# Altium PCB iMX53_BB_PCB_V1I1.PcbDoc (part 3 of 9)
Units mm, origin at the board's own origin, x right, y up, seen from the top; angles counter-clockwise.
Board outline 165 x 100.5 mm, 6 copper layers (Top, GND, SignalH, SignalV, Power, Bottom); 582 components, 590 nets, 2473 pads, 1817 vias.
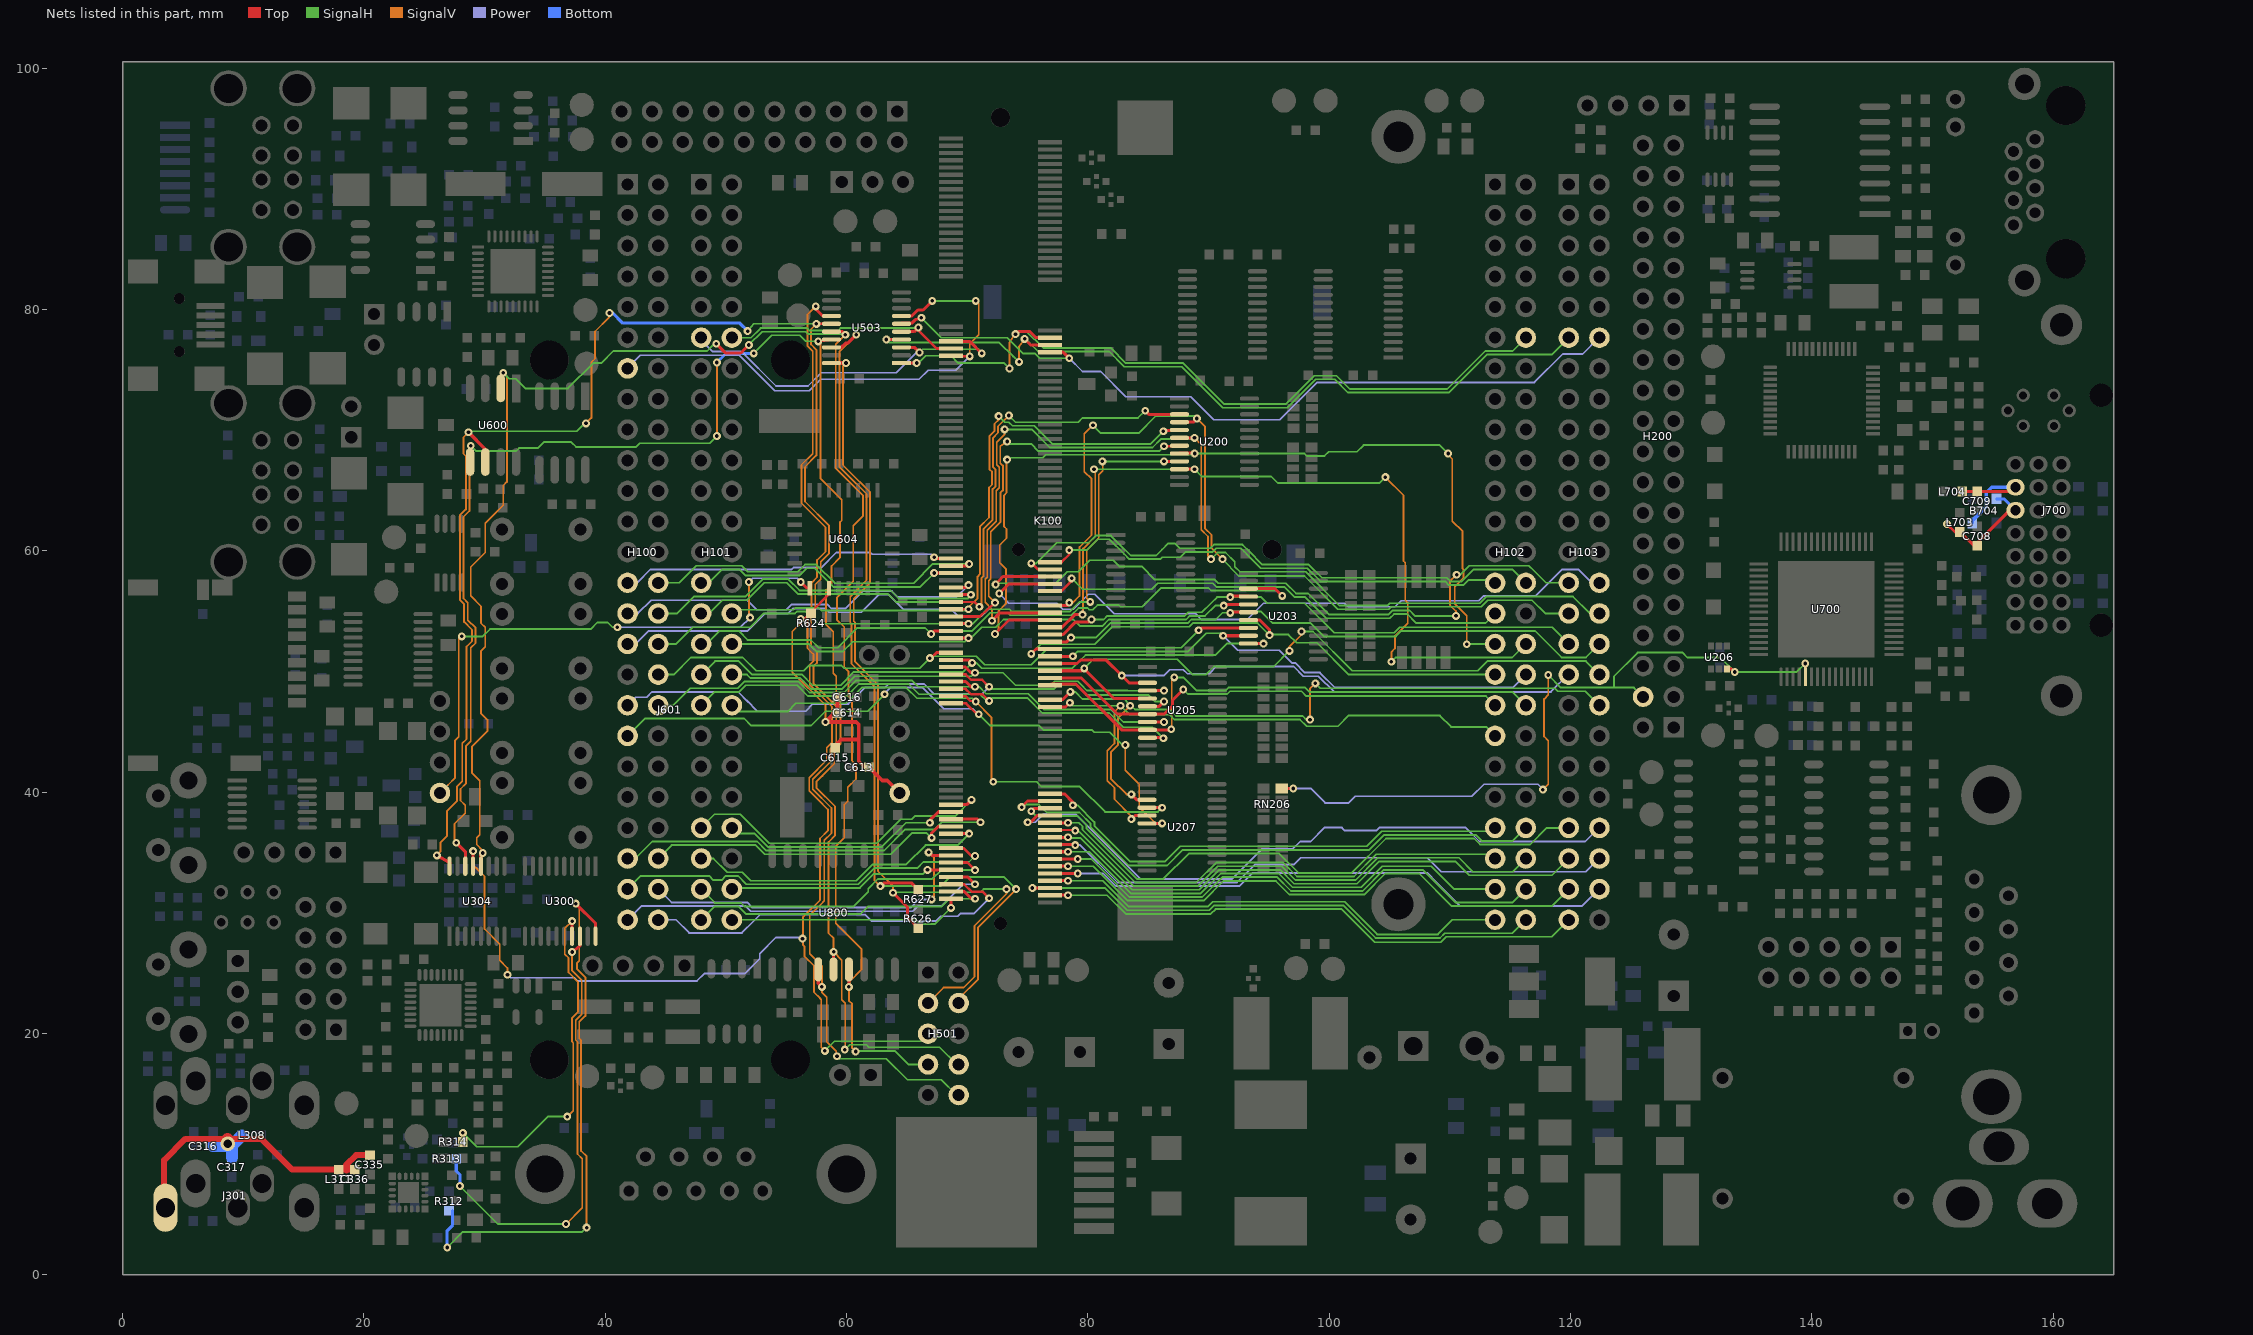
[diagram p7: the nets of this part, all layers, seen from the top]

## Via types
v1: diameter 0.65, hole 0.3, Top to Bottom, tented both sides, 1294 vias
v2: diameter 0.8, hole 0.4, Top to Bottom, tented both sides, 303 vias
v3: diameter 1.2, hole 0.7, Top to Bottom, tented both sides, 213 vias
v4: diameter 0.65, hole 0.3, Top to Bottom, 4 vias
v5: diameter 1.2, hole 0.7, Top to Bottom, 1 vias
v6: diameter 1.27, hole 0.711, Top to Bottom, tented both sides, 1 vias
v7: diameter 0.8, hole 0.4, Top to Bottom, 1 vias

## Nets (pads, with @x,y where several pads share a name; then routed paths per layer and width w, separated by ;. In a path a pad name is that pad's centre, name@x,y a point inside that pad or via, vN(x,y) a via of type N, cw(c..) or ccw(c..) an arc to the next point about the centre after c; other vN are vias at no path point) (continued)
CSI1_D2: H100.27 K100.105 | length 28
  Top w0.25: v1(67.25,59.45) 67.35,59.35 K100.105@68.65,59.35
  Power w0.15: H100.27@41.85,57.34 42.64,57.34 43.75,58.45 55.45,58.45 55.6,58.6 57.9,58.6 59.15,59.85 61.976,59.85 62.126,59.7 67,59.7 v1(67.25,59.45)
CSI1_D3: H102.27 K100.106 | length 40.5
  Top w0.2: K100.106@76.85,59.05 77.819,59.05 78.45,59.681 v1(78.45,60.05)
  SignalH w0.15: v1(78.45,60.05) 79.9,60.05 80.8,60.95 81.776,60.95 83.001,59.725 83.426,59.3 86,59.3 86.15,59.45 87.65,59.45 88.1,59.9 90.35,59.9 90.65,60.2 92.676,60.2 92.937,59.939 93.281,59.595 94.326,58.55 98.176,58.55 99.276,57.45 109.6,57.45 109.9,57.15 111.1,57.15 111.514,57.564 113.526,57.564 H102.27@113.75,57.34
CSI1_D4: H100.28 K100.107 | length 29.7
  Top w0.25: K100.107@68.65,58.75 70,58.75 v1(70.15,58.9)
  SignalH w0.15: H100.28@44.39,57.34 46.14,57.34 47.55,58.75 51.3,58.75 51.8,58.25 55.95,58.25 56.55,58.85 57.5,58.85 59.05,57.3 65.55,57.3 67.15,58.9 v1(70.15,58.9)
CSI1_D5: H102.28 K100.108 | length 47.3
  Top w0.2: v1(75.3,58.95) 75.3,59 75.325,58.975 75.85,58.45 K100.108@76.85,58.45
  SignalH w0.15: v1(75.3,58.95) 75.7,58.95 77.4,60.65 80.05,60.65 80.65,61.25 81.9,61.25 82.65,60.5 83.55,59.6 85.65,59.6 86.15,60.1 86.65,60.6 87.2,60.6 87.6,60.2 90.15,60.2 90.45,60.5 92.8,60.5 92.937,60.363 93.311,59.989 94.45,58.85 98.3,58.85 99.4,57.75 109.75,57.75 110.05,57.45 110.976,57.45 111.976,58.45 115.18,58.45 H102.28@116.29,57.34
CSI1_D6: H101.27 K100.109 | length 22.7
  Top w0.25: v1(67.25,58.15) K100.109@68.65,58.15
  SignalH w0.15: H101.27@47.95,57.34 48.59,57.34 49.7,58.45 51.1,58.45 51.6,57.95 56.1,57.95 56.7,58.55 57.35,58.55 58.9,57 66.1,57 v1(67.25,58.15)
CSI1_D7: H103.27 K100.110 | length 60
  Top w0.25: v1(72.35,57.2) 72.95,57.85 K100.110@76.85,57.85
  SignalH w0.15: v1(72.35,57.2) 72.4,57.3 77.35,57.3 78.3,58.25 79.2,58.25 80.15,59.2 82.1,59.2 82.6,58.7 84.45,58.7 85.55,57.6 90.5,57.6 90.8,57.3 96.4,57.3 97.25,56.45 98.25,56.45 100,54.7 104.899,54.7 105.249,55.05 106.65,55.05 107.1,54.6 v1(110.5,54.6) ; v1(110.55,58) 110.85,58 111.6,58.75 116.55,58.75 116.965,58.335 117.96,57.34 H103.27@119.85,57.34
  SignalV w0.15: v1(110.5,54.6) 110.5,55 110,55.5 110,57.45 v1(110.55,58)
CSI1_HSYNC: H103.28 K100.112 | length 58.6
  Top w0.25: v1(72.65,56.45) 73.45,57.25 K100.112@76.85,57.25
  Power w0.15: v1(72.65,56.45) 73.45,55.65 77.4,55.65 77.9,55.15 78.8,55.15 79.938,56.288 80.04,56.39 80.56,56.39 82.175,54.775 88.925,54.775 89.4,54.3 93.2,54.3 94.55,55.65 101.25,55.65 101.55,55.35 105.45,55.35 105.95,55.85 112.4,55.85 112.8,56.25 117.1,56.25 119.3,58.45 120.65,58.45 121.76,57.34 H103.28@122.39,57.34
CSI1_MCLK: H100.30 K100.115 | length 29.5
  Top w0.25: K100.115@68.65,56.35 v1(70.3,56.35)
  SignalH w0.15: H100.30@44.39,54.8 45.95,54.8 47.35,56.2 51.6,56.2 53.05,57.65 55.15,57.65 56.1,56.7 63.65,56.7 64.3,56.05 70.05,56.05 v1(70.3,56.35)
CSI1_PIXCLK: H102.29 K100.114 | length 40
  Top w0.2: K100.114@76.85,56.65 77.8,56.65 78.65,57.5 v1(78.65,57.7)
  SignalH w0.15: v1(78.65,57.7) 79.55,56.8 85.3,56.8 85.8,57.3 90.35,57.3 90.65,57 96.276,57 97.126,56.15 98,56.15 99.75,54.4 105.023,54.4 105.373,54.75 106.45,54.75 107.201,53.999 112.949,53.999 H102.29@113.75,54.8
CSI1_VSYNC: H100.29 K100.113 | length 32.1
  Top w0.25: K100.113@68.65,56.95 69.9,56.95 v1(70.1,57.15)
  Power w0.15: H100.29@41.85,54.8 42.7,54.8 43.8,55.9 51.75,55.9 52.55,55.1 55,55.1 55.45,55.55 58.4,55.55 58.75,55.2 59.9,55.2 61.35,56.65 63.75,56.65 64.25,56.15 69.1,56.15 v1(70.1,57.15)
CSPI1_MISO: H101.12 K100.47 U503.5 | length 21.1
  Top w0.25: U503.5@64.55,78.15 65.6,78.15 v1(65.95,78.5) 65.95,78.25 67.45,76.75 K100.47@68.65,76.75
  SignalH w0.15: H101.12@50.49,77.65 52.076,77.65 52.876,78.45 56.724,78.45 56.924,78.25 59.3,78.25 59.5,78.45 65.8,78.45 v1(65.95,78.5)
CSPI1_MISO_3V3: H501.7 U304.12 U503.16 U600.2 U800.15 | length 150.8
  Top w0.2: U600.2@31.335,73.45 31.335,74.435 v1(31.55,74.75)
  Top w0.25: v1(49.2,77.15) 49.95,76.4 51.25,76.4 v1(51.9,77.05) ; U503.16@58.75,78.15 59.65,78.15 v1(59.9,77.9) ; v1(60.19,23.848) U800.15@60.19,25.3
  Top w0.3: U304.12@29.7,33.85 29.7,34.8 v1(29.85,34.95)
  SignalH w0.15: v1(31.55,74.75) 32.05,74.25 32.576,74.25 33.376,73.45 36.9,73.45 38.997,75.547 39.672,75.547 40.675,76.55 48.45,76.55 48.95,77.05 v1(49.2,77.15) ; v1(51.9,77.05) 53,78.15 56.6,78.15 56.8,77.95 59.802,77.95 v1(59.9,77.9) ; v1(60.75,18.5) 60.8,18.55 64,18.55 65.12,17.43 H501.7@66.75,17.43
  SignalV w0.15: v1(29.85,34.95) 29.85,35.15 29.35,35.65 29.35,36.2 29.6,36.45 29.6,40.95 28.95,41.6 28.95,43.75 28.95,43.766 30.25,45.066 30.25,45.964 29.714,46.5 29.714,51.714 30.05,52.05 30.05,53.649 29.7,53.999 29.7,55.4 28.85,56.25 28.85,58.65 29.222,59.022 30.05,59.85 30.05,62.276 30.509,62.735 31.55,63.776 31.55,65.4 31.85,65.7 31.85,74.45 v1(31.55,74.75) ; v1(59.9,77.9) 59.1,77.1 59.1,66.838 61.35,64.588 61.35,62.85 60.55,62.05 60.55,57.45 59.2,56.1 59.2,54.274 59.8,53.674 59.8,50.35 60.15,50 60.15,47.949 60.45,47.649 60.45,42.6 60.778,42.272 60.778,41.078 60.1,40.4 60.1,39.25 59.8,38.95 59.8,36.2 59.1,35.5 59.1,29.126 61.226,27 61.226,25.276 60.25,24.3 60.25,23.908 v1(60.19,23.848) 60.19,22.71 60.454,22.446 60.454,18.796 v1(60.75,18.5)
CSPI1_MOSI: H103.11 K100.46 U503.4 | length 68.1
  Top w0.25: v1(63.298,77.5) U503.4@64.55,77.5 ; v1(74.75,77.55) 75.25,77.05 K100.46@76.85,77.05
  SignalH w0.15: v1(63.298,77.5) 63.548,77.25 72.65,77.25 73.8,76.1 v1(74.3,75.65) ; v1(74.75,77.55) 74.824,77.55 75.87,76.505 81.771,76.505 83.026,75.25 87.774,75.25 91.174,71.85 96.526,71.85 98.264,73.588 98.876,74.2 100.45,74.2 101.55,73.1 109.9,73.1 113.05,76.25 118.45,76.25 H103.11@119.85,77.65
  SignalV w0.15: v1(74.3,75.65) 74.3,76.95 v1(74.75,77.55)
CSPI1_MOSI_3V3: H501.8 U304.14 U503.17 U600.5 U800.14 | length 151.2
  Top w0.25: v1(27.65,35.8) 28.4,35.05 U304.14@28.4,33.85 ; v1(57.65,77.35) U503.17@58.75,77.5 ; U800.14@58.92,25.3 v1(58.92,26.752)
  Top w0.3: U600.5@28.795,67.35 28.795,68.7 v1@28.795,68.745
  SignalH w0.15: v1(28.85,68.7) 29.3,68.25 32.6,68.25 32.85,68.5 34.4,68.5 34.9,69 37.176,69 37.576,68.6 42.574,68.6 42.874,68.9 48.65,68.9 v1(49.25,69.5) ; v1(52.3,76.35) 53.8,77.85 56.1,77.85 56.6,77.35 v1(57.65,77.35) ; v1(59.85,18.65) 60.25,19.05 61.65,19.05 61.85,18.85 67.7,18.85 69.12,17.43 H501.8@69.29,17.43
  SignalV w0.15: v1(27.65,35.8) 27.5,36.019 27.5,37.35 28.4,38.25 28.4,38.9 28,39.3 28,40.25 28.45,40.7 28.45,43.8 28.85,44.2 28.85,51.947 29.253,52.35 29.253,53.597 28.6,54.25 28.6,55.7 28.25,56.05 28.25,62.8 28.75,63.3 28.75,68.6 v1(28.85,68.7) 28.767,68.717 v1@28.767,68.7 ; v1(49.25,69.5) v1(49.25,75.6) ; v1(57.65,77.35) 57.85,77.194 57.85,65.976 59.6,64.226 59.6,62.5 59.45,62.35 59.45,59.424 58.75,58.724 58.75,57.188 58.3,56.738 58.3,53.874 58.9,53.274 58.9,49.85 59.15,49.6 59.15,47.653 59.503,47.3 59.503,43.978 58.977,43.451 58.977,42.327 57.99,41.34 57.5,40.85 57.5,40.35 59.05,38.8 59.05,36.4 58.5,35.85 58.5,28.3 58.92,27.88 v1(58.92,26.752) 59.6,26.072 59.6,22.8 59.894,22.506 59.894,18.694 v1(59.85,18.65)
  Bottom w0.25: v1(49.25,75.6) 50,76.35 v1(52.3,76.35)
CSPI1_RDY: H100.13 K100.49 U503.7 | length 44.4
  Top w0.25: U503.7@64.55,79.45 65.4,79.45 65.9,79.95 66.35,79.95 v1(67.1,80.7) ; K100.49@68.65,76.15 v1(70.2,76.1)
  SignalH w0.15: v1(67.1,80.7) v1@70.6,80.7
  SignalV w0.15: v1(70.2,76.1) 70.2,77.15 70.95,77.9 70.95,80.45 v1(70.7,80.7)
  Power w0.15: H100.13@41.85,75.11 41.85,75.15 42.9,76.2 51.1,76.2 54.05,73.25 56.9,73.25 57.85,74.2 66,74.2 66.75,74.95 69.05,74.95 v1(70.2,76.1)
CSPI1_RDY_3V3: H501.5 U304.13 U503.14 | length 118.5
  Top w0.25: U304.13@29.05,33.85 v1(29.05,35.1) ; v1(57.45,80.25) 57.45,80.03 58.03,79.45 U503.14@58.75,79.45
  SignalH w0.15: v1(58.2,18.55) 59,19.35 66.13,19.35 H501.5@66.75,19.97
  SignalV w0.15: v1(29.05,35.1) 29.05,33.95 29.417,33.583 ; 29.2,33.8 30,33 30,28.65 31.25,27.4 31.25,26.05 31.896,25.404 v1(31.896,24.853) ; v1(57.45,80.25) 56.75,79.55 56.75,76.976 57.2,76.526 57.2,68.05 56.25,67.1 56.25,63.95 58.25,61.95 58.25,59.921 57.55,59.221 57.55,57.8 57.1,57.35 57.1,54.899 56.75,54.549 56.75,54.45 56.75,52.25 56.75,52.177 56.75,51.934 57.25,51.434 57.25,50.85 56.95,50.55 56.95,48.899 58.8,47.049 58.8,44.123 58.352,43.674 58.352,42.652 56.9,41.2 56.9,40.101 57.608,39.394 58.45,38.551 58.45,36.8 57.796,36.146 57.796,31.046 56.38,29.63 56.38,27.85 56.38,27.344 56.5,27.224 56.5,26.4 57.3,25.6 57.3,23.4 57.808,22.892 57.9,22.8 57.9,18.85 v1(58.2,18.55)
  Power w0.15: v1(31.896,24.853) 32.149,24.6 37.45,24.6 37.7,24.35 47.6,24.35 48.2,24.95 51.55,24.95 52.8,26.2 52.8,26.6 54.15,27.95 56.2,27.95 v1(56.35,27.85)
CSPI1_SCLK: H103.12 K100.48 U503.6 | length 66.1
  Top w0.25: U503.6@64.55,78.8 64.6,78.85 65.4,78.85 65.7,79.15 v1(66.2,79.3) ; K100.48@76.85,76.45 77.95,76.45 v1(78.45,75.95)
  SignalH w0.15: v1(66.2,79.3) 67.85,77.65 73.3,77.65 74.6,76.35 75.6,76.35 76,75.95 v1(78.45,75.95)
  Power w0.15: v1(78.45,75.95) 79.55,74.85 81.05,74.85 83.15,72.75 88.524,72.75 90.424,70.85 95.9,70.85 99,73.95 117,73.95 119.35,76.3 120.99,76.3 H103.12@122.34,77.65 ; H103.12@122.365,77.675 H103.12@122.39,77.7
CSPI1_SCLK_3V3: H501.10 U304.16 U503.15 U600.6 U800.13 | length 161.1
  Top w0.215: v1(57.498,78.8) U503.15@58.75,78.8
  Top w0.25: U800.13@57.65,25.3 57.65,24.15 v1(57.95,23.85)
  Top w0.3: v1(26.05,34.75) 27.1,34.15 U304.16@27.1,33.85 ; v1(28.662,69.82) 30.065,68.417 U600.6@30.065,67.35
  SignalH w0.15: v1(28.662,69.82) 28.742,69.9 37.65,69.9 38.35,70.6 v1(38.4,70.55) ; v1(51.8,78.2) 52.3,78.8 v1(57.498,78.8) ; v1(59.2,18.1) 59.4,17.9 63.3,17.9 65.05,16.15 67.85,16.15 69.11,14.89 H501.10@69.29,14.89
  SignalV w0.15: v1(26.05,34.75) 26.35,35.1 26.35,35.825 26.888,36.363 26.888,38.437 27.7,39.25 27.7,40.45 28.15,40.9 28.15,44.024 28.5,44.374 28.5,52.05 28.953,52.503 28.953,53.447 28.3,54.1 28.3,55.576 27.95,55.926 27.95,59.126 27.95,62.099 27.95,62.924 28.45,63.424 28.45,63.924 28.45,67.85 28.25,68.05 28.25,69.408 v1(28.662,69.82) ; v1(38.4,70.55) 38.85,71 38.85,75.6 39.15,75.9 39.15,78.162 40.3,79.312 v1(40.35,79.7) ; v1(57.498,78.8) 57.05,78.352 57.05,77.1 57.5,76.65 57.5,67.9 56.55,66.95 56.55,64.074 58.55,62.074 58.55,59.797 57.85,59.097 57.85,57.65 57.4,57.2 57.4,54.774 57.05,54.424 57.05,54.3 57.05,52.374 57.05,52.301 57.05,52.059 57.55,51.559 57.55,50.7 57.25,50.4 57.25,49.023 59.15,47.123 59.15,44.049 58.677,43.575 58.677,42.527 57.2,41.05 57.2,40.226 58.75,38.676 58.75,36.6 58.15,36 58.15,30.976 57.895,30.721 56.95,29.776 56.95,26.606 57.95,25.606 v1(57.95,23.85) 57.95,23.4 58.35,23 58.35,19.3 59.15,18.5 v1@59.15,18.15
  Bottom w0.25: v1(40.35,79.7) 40.55,79.75 41.45,78.85 51.15,78.85 v1(51.8,78.2)
CSPI1_SS0: H102.12 K100.44 U503.1 | length 64
  Top w0.25: U503.1@64.55,75.55 v1(65.802,75.55) ; v1@74.198,78.148 74.2,78.15 75.2,78.15 75.7,77.65 K100.44@76.85,77.65
  SignalH w0.15: v1(65.802,75.55) 65.95,75.55 66.55,76.15 68.65,76.15 69.25,75.55 73.05,75.55 v1(73.5,75.1) ; v1@73.95,77.85 v1@74.025,77.925 ; v1(74,77.95) 74.25,78.2 74.905,78.2 76.3,76.805 81.895,76.805 83.15,75.55 87.9,75.55 91.3,72.15 96.4,72.15 98.094,73.844 98.75,74.5 100.6,74.5 101.7,73.4 109.776,73.4 112.926,76.55 115.19,76.55 H102.12@116.29,77.65
  SignalV w0.15: v1(73.5,75.1) 73.5,77.25 73.899,77.882 73.959,77.976 v1@74.1,78.2
CSPI1_SS0_3V3: H501.3 R626.1 U503.20 | length 75.6
  Top w0.15: U503.20@58.75,75.55 v1(59.95,75.55)
  Top w0.25: v1(63.85,31.65) 65.05,30.45 65.05,29.6 R626.1@65.95,28.7
  Top w0.35: U503.20@58.75,75.55 58.85,75.55 v1(59.95,75.55)
  SignalH w0.15: v1@63.85,31.7 71.1,31.7 71.35,31.95 v1(73.25,31.95)
  SignalV w0.15: v1(59.95,75.55) 59.7,75.3 59.7,67.087 60.102,66.685 61.95,64.837 61.95,57.35 60.6,56 60.6,54.147 60.7,54.047 60.7,50.797 62.6,48.897 62.6,33.45 63.85,32.2 v1@63.85,31.7 ; H501.3@66.75,22.51 68.04,23.8 69.7,23.8 70.6,24.7 70.6,28.924 73.25,31.574 v1(73.25,31.95)
CSPI1_SS1: H101.11 K100.45 U503.3 | length 31.1
  Top w0.25: U503.3@64.55,76.85 65.609,76.85 v1(66.038,76.421) ; K100.45@68.65,77.35 70.2,77.35 v1(71.2,76.35)
  SignalH w0.15: v1(66.038,76.421) 66.318,76.7 70.95,76.7 71.2,76.45 v1(71.2,76.35)
  Power w0.15: H101.11@47.95,77.65 47.95,77.45 48.9,76.5 51.3,76.5 54.15,73.65 56.8,73.65 57.9,74.75 64.1,74.75 65.771,76.421 v1(66.038,76.421)
CSPI1_SS1_3V3: H501.4 R627.1 U503.18 | length 77.5
  Top w0.25: 59.55,76.85 59.9,77.2 60.1,77.2 v1(60.8,77.9) ; v1(62.8,32.2) 63.05,32.45 65.4,32.45 R627.1@65.95,31.9
  SignalH w0.15: v1(62.8,32.2) 67.8,32.2 68.55,32.95 73.05,32.95 v1(74.05,31.95)
  SignalV w0.15: v1(60.8,77.9) 59.4,76.5 59.4,66.963 60.026,66.336 61.65,64.713 61.65,57.55 60.3,56.2 60.3,54.023 60.4,53.923 60.4,50.65 62.3,48.75 62.3,32.7 v1(62.8,32.2) ; H501.4@69.29,22.51 69.29,22.89 70.9,24.5 70.9,28.8 v1(74.05,31.95)
  Bottom w0.25: v1(60.8,77.9) v1@60.8,78.05
CVCC: C613.2 C614.2 C615.2 C616.2 J601.1 R624.1 U604.11 | length 29.2
  Top w0.2: R624.1@57.05,54.8 57.05,54.9 58.55,56.4 U604.11@58.55,56.9
  Top w0.3: v1(56.2,54.35) 56.6,54.35 R624.1@57.05,54.8 ; C615.2@59.05,43.65 59.05,43.85 59.55,44.35 61,44.35 ; C616.2@59.25,47.85 C614.2@59.25,46.55 59,46.55 v1(58.25,45.8) 58.352,45.698 58.454,45.8 60.8,45.8 61,45.6 61,44.35 ; J601.1@64.4,39.92 63.37,40.95 62.95,40.95 C613.2@61.85,42.05 61.5,42.05 61,42.55 61,44.35
  SignalV w0.15: v1(56.2,54.35) 56.2,54 55.5,53.3 55.5,49.924 58.25,47.174 v1(58.25,45.8)
CVSS: J601.5 U604.9 | length 47.1
  Top w0.25: v1(56.2,57.4) 56.7,56.9 U604.9@56.95,56.9
  SignalH w0.15: v1(28.1,52.9) 29.85,52.9 30.45,53.5 38.8,53.5 39.35,54.05 40.2,54.05 40.6,53.65 v1(41,53.65)
  SignalV w0.15: J601.5@26.3,39.92 26.964,40.584 27.55,41.17 27.55,44.273 27.85,44.573 27.85,52.65 v1(28.1,52.9) ; v1(51.9,57.4) 51.9,54.55 v1(52,54.45)
  Power w0.15: v1(41,53.65) 51.2,53.65 v1(52,54.45) ; v1(51.9,57.4) 52.22,57.72 55.93,57.72 v1(56.2,57.4)
DDC_SCL: B704.2 C708.2 J700.6 L703.2 | length 9.7
  Top w0.15: v1@151.14,62.14 151.092,62.188 v1(151.2,62.2)
  Top w0.25: v1(151.2,62.2) 151.85,61.55 152.3,61.55 C708.2@153.45,60.4 ; C708.2@153.7,60.4 153.7,60.65 156.4,63.35 J700.6@156.875,63.35
  Bottom w0.25: B704.2@155.3,64.3 155.925,64.3 J700.6@156.875,63.35
DDC_SDA: B704.4 C709.2 J700.7 L704.2 | length 10.2
  Top w0.25: L704.2@152.45,64.9 156.52,64.9 J700.7@156.875,65.255
  Bottom w0.3: B704.4@153.3,62.3 153.3,62.5 154.45,63.65 154.45,64.8 154.905,65.255 J700.7@156.875,65.255
DISP1_DAT0: H101.29 K100.117 U200.3 | length 59.4
  Top w0.2: K100.117@68.65,55.75 70.6,55.75 v1(71,55.35)
  Top w0.25: v1(84.75,71.6) 85.048,71.302 U200.3@87.584,71.302
  SignalH w0.15: H101.29@47.95,54.8 48.6,54.8 49.7,55.9 51.65,55.9 51.724,55.9 53.174,57.35 55.026,57.35 55.976,56.4 56.45,56.4 63.45,56.4 64.1,55.75 70.6,55.75 v1(71,55.35) ; v1(73.45,71.2) 74,70.65 79.2,70.65 79.55,71 84.15,71 v1(84.75,71.6)
  SignalV w0.15: v1(71,55.35) 71.183,55.533 71.183,57.756 71.35,57.923 71.35,61.823 72.1,62.573 72.1,65.1 72.35,65.35 72.35,66.7 72.139,66.911 72.139,69.365 72.549,69.774 72.549,70 ; 72.55,70 72.55,70.3 v1(73.45,71.2)
DISP1_DAT1: H103.29 K100.118 U200.4 | length 72.9
  Top w0.25: K100.118@76.85,55.45 78.3,55.45 78.45,55.6 v1(78.45,55.7) ; U200.4@87.584,70.652 88.728,70.652 v1(89.034,70.958)
  SignalH w0.15: v1(80.415,70.389) 80.415,70.385 81.05,69.75 84.2,69.75 85.6,71.15 v1@89.034,71.15 ; v1(89.034,70.958) v1@89.05,71.15 ; v1(91.15,59.3) 92.5,57.9 97.95,57.9 100.7,55.15 104.801,55.15 104.924,55.15 105.124,55.35 112.599,55.35 113.149,55.9 116.8,55.9 117.9,54.8 H103.29@119.85,54.8
  SignalV w0.15: v1(78.45,55.7) 78.75,55.7 79.3,56.25 79.3,60.3 80.3,61.3 80.3,65.95 79.7,66.55 79.7,69.674 v1(80.415,70.389) ; v1(89.034,70.958) 89.693,70.299 89.693,61.857 90.25,61.3 90.25,60.2 v1(91.15,59.3)
DISP1_DAT2: H101.30 K100.119 U200.5 | length 55.5
  Top w0.15: K100.119@68.65,55.15 K100.119@68.7,55.1
  Top w0.25: K100.119@68.7,55.1 v1(70.1,55.15) ; v1(86.25,69.9) 86.3,69.95 87.584,69.95 U200.5@87.6,69.95
  SignalH w0.15: H101.30@50.49,54.8 50.79,55.1 55.6,55.1 55.75,55.25 57.7,55.25 57.9,55.05 70.1,55.05 70.35,55.05 v1(70.1,55.15) ; v1(72.6,71.15) 73.1,70.65 73.45,70.65 73.75,70.35 75.55,70.35 77.05,68.85 85.2,68.85 v1(86.25,69.9)
  SignalV w0.15: v1(70.1,55.15) 70.1,55.3 70.852,56.052 70.852,57.85 71.05,58.048 71.05,62 71.8,62.75 71.8,65.224 72.05,65.474 72.05,66.55 71.839,66.761 71.839,69.489 72.249,69.899 72.249,70.499 72.6,70.85 v1(72.6,71.15)
DISP1_DAT3: H103.30 K100.120 U200.6 | length 85.9
  Top w0.25: v1(72.05,54.2) 72.7,54.85 K100.120@76.85,54.85 ; U200.6@87.584,69.352 v1(88.836,69.352)
  SignalH w0.15: v1(73.1,70.05) 75.35,70.05 76.85,68.55 85.35,68.55 86.05,69.25 88.734,69.25 v1(88.836,69.352) ; v1(90.2,59.3) 90.75,59.85 91.4,59.85 92.164,59.086 92.164,58.686 92.6,58.25 98.051,58.25 100.851,55.45 104.8,55.45 105,55.65 112.474,55.65 113.024,56.2 120.2,56.2 121.6,54.8 H103.30@122.39,54.8
  SignalV w0.15: v1(72.05,54.2) 72.05,55.15 71.483,55.717 71.483,57.632 71.65,57.799 71.65,61.699 72.4,62.449 72.4,64.95 72.65,65.2 72.65,66.9 72.439,67.111 72.439,68.989 73.1,69.65 v1(73.1,70.05) ; v1(88.836,69.352) 89.393,68.795 89.393,61.733 89.95,61.176 89.95,59.55 v1(90.2,59.3)
DISP1_DAT4: H100.31 K100.121 U200.7 | length 66.9
  Top w0.25: K100.121@68.65,54.55 71.05,54.55 v1(72.3,55.7) ; v1(86.306,68.651) U200.7@87.584,68.702
  SignalH w0.15: v1(73.3,69.05) 73.5,68.85 75.3,68.85 75.9,68.25 85.905,68.25 v1(86.306,68.651)
  SignalV w0.15: v1(72.3,55.7) 71.783,56.217 71.783,57.508 71.95,57.675 71.95,61.574 72.749,62.373 72.749,64.799 72.95,65 72.95,67.05 72.739,67.261 72.739,68.645 v1(73.3,69.05)
  Power w0.15: H100.31@41.85,52.27 42.52,52.27 43.6,53.35 51.8,53.35 53.25,54.8 55.15,54.8 55.55,55.2 58.25,55.2 58.55,54.9 61.2,54.9 62.65,56.35 63.5,56.35 64.7,55.15 68.65,55.15 69.2,54.6 71.2,54.6 v1(72.3,55.7)
DISP1_DAT5: H102.31 K100.122 U200.8 | length 78.5
  Top w0.25: v1(72.3,53.1) 73.45,54.25 K100.122@76.85,54.25 ; U200.8@87.584,68.1 v1@88.788,68.1
  SignalH w0.15: v1(73.3,67.55) 73.45,67.7 76.25,67.7 76.5,67.95 88.738,67.95 v1(88.838,68.05) 97.95,68.05 98.15,67.85 99.6,67.85 99.95,68.2 102.3,68.2 102.85,68.75 109.15,68.75 v1(109.85,68.05) ; v1@111.42,52.27 H102.31@113.75,52.27
  SignalV w0.15: v1(72.3,53.1) 72.6,53.4 72.6,55 73.2,55.6 73.2,58.5 72.7,59 72.7,60.474 73.25,61.024 73.25,61.8 73.05,62 73.05,64.6 73.25,64.8 v1@73.25,67.5 ; v1(109.85,68.05) 109.85,67.95 110.2,67.6 110.2,62.45 111.05,61.6 111.05,58.516 111.116,58.45 111.116,57.716 110.4,57 110.4,55.6 111.4,54.6 v1(111.4,52.25)
DISP1_DAT6: H100.32 K100.123 U200.9 | length 58.4
  Top w0.25: K100.123@68.65,53.95 v1(70.102,53.95) ; v1@86.302,67.402 U200.9@87.584,67.402
  SignalH w0.15: H100.32@44.39,52.27 45.87,52.27 47.25,53.65 52,53.65 53.15,54.8 55.724,54.8 55.874,54.95 56.6,54.95 57.6,53.95 v1(70.102,53.95) 70.45,53.95 71.65,55.15 73.5,55.15 73.7,54.95 78.5,54.95 79.303,55.753 v1(80.191,55.753) ; v1(81.2,67.4) v1(86.3,67.4)
  SignalV w0.15: v1(80.191,55.753) 79.9,56.044 79.9,60.05 80.9,61.05 80.9,66.3 81.221,66.621 81.221,67.379 v1(81.2,67.4)
DISP1_DAT7: H102.32 K100.124 U200.10 | length 70.2
  Top w0.25: K100.124@76.85,53.65 77.85,53.65 78.9,54.7 v1(79.55,54.7) ; U200.10@87.584,66.752 v1(88.836,66.752)
  SignalH w0.15: v1@80.5,66.752 v1(88.836,66.752) 89.438,66.15 95.2,66.15 95.75,65.6 104.15,65.6 v1(104.65,66.1) ; v1(105.15,50.8) 105.5,51.15 115.17,51.15 H102.32@116.29,52.27
  SignalV w0.15: v1(79.55,54.7) v1@79.55,54.75 ; v1@79.6,54.75 79.6,60.176 80.6,61.176 80.6,66.65 v1(80.5,66.75) v1@80.45,66.7 ; v1(104.65,66.1) 106.15,64.6 106.15,59.147 106.3,58.997 106.3,55.9 106.5,55.7 106.5,54 105.45,52.95 105.45,51.9 105.15,51.6 v1(105.15,50.8)
DISP1_DAT8: H101.31 K100.125 U203.3 | length 57.1
  Top w0.25: v1(67,53.1) 67.25,53.35 K100.125@68.65,53.35 ; U203.3@93.3,56.85 95.5,56.85 v1(96.1,56.25)
  SignalH w0.15: H101.31@47.95,52.27 48.42,52.27 49.5,53.35 51.05,53.35 51.8,52.6 57.05,52.6 57.7,51.95 59.25,51.95 60.9,53.6 66.5,53.6 v1(67,53.1) 67.25,53.35 70.4,53.35 71.9,54.85 73.376,54.85 73.576,54.65 78.624,54.65 79.224,55.25 79.968,55.25 80.118,55.1 80.4,55.1 80.8,55.5 82.55,55.5 82.7,55.35 84.5,55.35 86.05,56.9 90,56.9 90.2,56.7 95.65,56.7 v1(96.1,56.25)
DISP1_DAT9: H103.31 K100.126 U203.4 | length 47.8
  Top w0.25: K100.126@76.85,53.05 77.95,53.05 79,54.1 80.1,54.1 v1(80.3,54.3) ; v1(91.8,56.15) 91.85,56.25 U203.4@93.3,56.25
  SignalH w0.15: v1(80.3,54.3) 81.3,54.3 81.6,54.6 88.024,54.6 88.324,54.9 89.45,54.9 90.212,55.662 90.7,56.15 v1(91.8,56.15) 94.35,56.15 94.85,55.65 97.95,55.65 100.4,53.2 105.4,53.2 105.85,53.65 118.47,53.65 H103.31@119.85,52.27
DISP1_DAT10: H101.32 K100.127 U203.5 | length 46.7
  Top w0.25: K100.127@68.65,52.75 v1(70.102,52.75) ; v1(91.25,55.45) 91.2,55.55 91.25,55.55 U203.5@93.3,55.55
  SignalH w0.15: H101.32@50.49,52.27 56.88,52.27 57.5,51.65 59.7,51.65 60.5,52.45 69.802,52.45 v1(70.102,52.75) 70.3,52.75 71.2,53.65 72.35,53.65 73,54.3 78.8,54.3 79.35,53.75 81.174,53.75 81.724,54.3 85.501,54.3 88.149,54.3 88.449,54.6 89.7,54.6 90.55,55.45 v1(91.25,55.45) v1@91.245,55.446
DISP1_DAT11: H103.32 K100.128 U203.6 | length 50.8
  Top w0.25: K100.128@76.85,52.45 78.25,52.45 v1(78.6,52.8) ; v1@91.75,54.9 91.8,54.9 U203.6@93.3,54.9
  SignalH w0.15: v1(78.6,52.8) 80.649,52.8 81.849,54 88.273,54 88.573,54.3 90.6,54.3 91.15,54.85 v1(91.8,54.85) 91.9,54.95 94.35,54.95 95.3,54 98.45,54 99.55,52.9 105.524,52.9 105.974,53.35 117.05,53.35 119.25,51.15 121.27,51.15 H103.32@122.39,52.27 ; H103.32@121.57,52.27 H103.32@121.79,52.27
DISP1_DAT12: H102.33 K100.130 U203.7 | length 45.5
  Top w0.25: v1(75.3,51.45) 75.7,51.85 K100.130@76.85,51.85 ; U203.7@93.3,54.25 94.25,54.25 95.05,53.45 v1(95.05,53)
  SignalH w0.15: v1(75.3,51.45) 76.1,52.25 80.55,52.25 82,53.7 88.397,53.7 88.697,54 94.05,54 v1(95.05,53) ; v1@95.096,53.046 96.619,53.046 97.296,52.369 98.981,52.369 101.62,49.73 H102.33@113.75,49.73
DISP1_DAT13: H100.34 K100.131 U203.8 | length 54.2
  Top w0.25: v1(66.9,51.1) 67,51.1 67.45,51.55 K100.131@68.65,51.55 ; v1(89.173,53.407) 89.367,53.6 U203.8@93.3,53.6
  SignalH w0.15: H100.34@44.35,49.75 44.39,49.75 45.7,49.75 47.1,51.15 51.4,51.15 52.5,50.05 56.45,50.05 56.874,50.474 59.576,50.474 59.8,50.25 66.05,50.25 v1(66.9,51.1) 67.05,51.25 70.75,51.25 71.45,50.55 75.3,50.55 76.7,51.95 87.717,51.95 v1(89.173,53.407)
DISP1_DAT14: H102.34 K100.132 U203.9 | length 44.9
  Top w0.25: K100.132@76.85,51.25 v1(78.75,51.25) ; v1(91.2,52.95) U203.9@93.3,52.95
  SignalH w0.15: v1(78.75,51.25) 79.15,51.65 88.3,51.65 89.8,53.15 v1@91,53.15 ; v1(91.2,52.95) v1@91,53.15 ; v1@91.2,53.15 v1@91,53.15
  Power w0.15: v1(91.2,52.95) 92.4,51.75 95.85,51.75 96.9,50.7 97.174,50.7 97.974,49.9 99.224,49.9 100.474,48.65 115.21,48.65 H102.34@116.29,49.73 H102.34@116.34,49.78
DISP1_DAT15: H101.33 K100.133 U203.10 | length 52.7
  Top w0.25: K100.133@68.65,50.95 70.15,50.95 v1(70.4,50.7) ; U203.10@93.3,52.3 v1(94.552,52.3)
  SignalH w0.15: H101.33@48,49.75 49.1,50.85 51.05,50.85 52.15,49.75 56.273,49.75 57.173,48.85 59.5,48.85 60.6,49.95 69.65,49.95 v1(70.4,50.7) 70.75,50.7 71.2,50.25 78.7,50.25 79.8,51.35 90.55,51.35 91.5,52.3 v1(94.552,52.3)
DISP1_DAT16: H103.33 K100.134 U205.3 | length 48.1
  Top w0.25: K100.134@76.85,50.65 79.1,50.65 79.377,50.927 81.523,50.927 v1(82.8,49.65) 83.398,49.052 U205.3@84.934,49.052
  Power w0.15: v1(82.8,49.65) 86.3,49.65 86.623,49.973 86.784,50.134 87.916,50.134 88.25,49.8 90.05,49.8 90.65,50.4 97.05,50.4 97.85,49.6 99.1,49.6 100.4,48.3 118.37,48.3 119.825,49.755 H103.33@119.85,49.78
DISP1_DAT17: H101.34 K100.135 U205.4 | length 41.3
  Top w0.25: K100.135@68.65,50.35 69.85,50.35 70.314,49.886 v1(70.64,49.886) ; U205.4@84.934,48.402 v1(86.3,48.4)
  SignalH w0.15: H101.34@50.49,49.73 51.746,49.73 52.026,49.45 56.149,49.45 57.049,48.55 59.624,48.55 60.674,49.6 70.354,49.6 v1(70.64,49.886) 72.964,49.886 74,48.85 76.9,48.85 77.236,49.186 79.14,49.186 79.394,48.931 79.924,48.402 83.278,48.402 v1(86.3,48.4)
DISP1_DAT18: H103.34 K100.136 U205.5 | length 56.7
  Top w0.25: K100.136@76.85,50.05 79.5,50.05 v1(79.7,50.25) 79.7,50.2 82.148,47.752 U205.5@84.934,47.752
  SignalH w0.15: v1(79.7,50.25) 80.45,51 87.4,51 88.65,49.75 89.8,49.75 90.45,50.4 95.4,50.4 v1(96.7,51.7) ; v1(97.7,53.3) 98.65,53.3 101.9,50.05 112.3,50.05 113.1,50.85 121.27,50.85 H103.34@122.39,49.73
  SignalV w0.15: v1(96.7,51.7) 96.7,52.05 97.7,53.05 v1(97.7,53.3)
DISP1_DAT19: H100.35 K100.137 U205.6 | length 53.2
  Top w0.2: K100.137@68.65,49.75 69.862,49.75 70.312,49.3 71.226,49.3 v1(71.808,48.718)
  Top w0.25: U205.6@84.934,47.102 85.902,47.102 v1(86.3,47.5)
  SignalH w0.15: v1(71.808,48.718) 71.976,48.55 77.2,48.55 77.519,48.869 79.033,48.869 79.851,48.05 85,48.05 85.55,47.5 v1(86.3,47.5)
  Power w0.15: H100.35@41.85,47.19 42.514,47.854 43.428,47.854 43.874,48.3 51,48.3 51.861,47.439 ; 51.711,47.589 52.6,46.7 56.6,46.7 57.2,47.3 60.15,47.3 61.5,48.65 63.176,48.65 63.476,48.95 66.424,48.95 67.224,48.15 71.241,48.15 v1(71.808,48.718)
DISP1_DAT20: H102.35 K100.138 U205.7 | length 40
  Top w0.15: K100.138@76.85,49.45 K100.138@76.95,49.45 ; U205.7@84.934,46.452 U205.7@85,46.452
  Top w0.25: K100.138@76.95,49.45 79.45,49.45 82.448,46.452 U205.7@84.934,46.452 ; U205.7@85,46.452 86.302,46.452 87,47.15 87,47.6 v1(87.9,48.5)
  SignalH w0.15: v1(87.9,48.5) 88.276,48.124 91.548,48.124 91.774,48.35 97.7,48.35 98.1,47.95 112.99,47.95 H102.35@113.75,47.19
DISP1_DAT21: H100.36 K100.139 U205.8 | length 48.4
  Top w0.25: K100.139@68.65,49.15 69.872,49.15 70.305,48.718 v1(70.64,48.718) ; U205.8@84.934,45.802 v1@86.186,45.802
  SignalH w0.15: H100.36@44.39,47.19 45.64,47.19 47.05,48.6 50.976,48.6 51.526,49.15 56.024,49.15 56.924,48.25 59.8,48.25 60.8,49.25 65.4,49.25 65.932,48.718 v1(70.64,48.718) 70.982,48.718 71.55,48.15 75.049,48.15 76.349,46.85 81.874,46.85 82.923,45.802 83.615,45.802 v1(86.3,45.8)
DISP1_DAT22: H102.36 K100.140 U205.9 | length 46.3
  Top w0.15: v1@86.702,45.152 v1(86.9,45.2)
  Top w0.25: K100.140@76.85,48.85 76.95,48.95 79,48.95 82.798,45.152 U205.9@84.934,45.152 v1@86.702,45.152
  SignalH w0.15: v1(87.15,49.5) 87.9,49.5 88.4,49 88.976,48.424 91.424,48.424 91.65,48.65 98,48.65 98.35,48.3 115.18,48.3 H102.36@116.29,47.19
  SignalV w0.15: v1(86.9,45.2) 86.95,45.4 86.95,49.3 v1(87.15,49.5)
DISP1_DAT23: H101.35 K100.141 U205.10 | length 46.8
  Top w0.2: K100.141@68.65,48.55 69.862,48.55 70.312,48.1 71.258,48.1 v1(71.808,47.549)
  Top w0.25: U205.10@84.934,44.502 86.198,44.502 v1(86.25,44.45)
  SignalH w0.15: H101.35@47.95,47.19 49.06,48.3 51.1,48.3 51.65,48.85 55.9,48.85 56.8,47.95 60,47.95 61,48.95 65.15,48.95 66,48.1 71.05,48.1 71.601,47.549 v1(71.808,47.549) 72.059,47.8 74.974,47.8 76.224,46.55 81.75,46.55 82.926,45.374 85.326,45.374 v1(86.25,44.45)
DISP1_HSYNC: H101.36 K100.143 U207.4 | length 47.9
  Top w0.2: K100.143@68.65,47.95 69.85,47.95 70.251,47.549 v1(70.7,47.5)
  Top w0.25: U207.4@84.9,38.7 v1(86.152,38.7)
  SignalH w0.15: H101.36@50.65,47.35 H101.36@50.49,47.19 51.014,46.666 55.116,46.666 55.8,47.35 59.95,47.35 61.25,48.65 64.95,48.65 65.837,47.763 70.437,47.763 v1(70.7,47.5) ; v1(72.15,40.85) 75.75,40.85 76.15,40.45 79.326,40.45 81.426,38.35 85.802,38.35 v1(86.152,38.7) ; v1@86.152,38.65 v1@86.2,38.65
  SignalV w0.15: v1(70.7,47.5) 72,46.2 72,41 v1(72.15,40.85)
DISP1_OE_ACD: H100.37 K100.145 U207.6 | length 57.7
  Top w0.2: K100.145@68.65,47.35 69.9,47.35 70.8,46.45 v1(70.95,46.45)
  Top w0.25: U207.6@84.9,37.4 v1(86.152,37.4)
  SignalH w0.15: H100.37@41.85,44.65 43.3,46.1 51.5,46.1 52.1,45.5 57.05,45.5 58.25,46.7 61.75,46.7 v1(63.15,48.1) ; v1(70.95,46.45) 71.9,45.5 75.95,45.5 76.3,45.15 80.324,45.15 80.524,44.95 81.8,44.95 82.85,43.9 v1(83.1,43.9) ; v1@86.002,37.25 v1(86.152,37.4)
  SignalV w0.15: v1@83.1,43.95 v1(83.1,43.9) 83.1,41.8 84.25,40.65 84.25,38.75 85.6,37.4 v1(86.152,37.4)
  Power w0.15: v1(63.15,48.1) 63.15,48.2 63.6,48.65 66.3,48.65 68.05,46.9 70.45,46.9 70.9,46.45 v1(70.95,46.45)
DISP1_SCLK: H102.37 K100.146 U207.5 | length 51
  Top w0.25: K100.146@76.85,47.05 78.15,47.05 v1(78.5,47.4) ; v1(83.6,37.75) 83.9,38.05 U207.5@84.9,38.05
  SignalH w0.15: v1(78.5,47.4) 78.75,47.15 v1(82.7,47.15) 83.45,46.4 86.776,46.4 87.176,46 97.576,46 98.126,45.45 100.724,45.45 101.624,46.35 109.15,46.35 109.17,46.33 110.1,45.4 113,45.4 H102.37@113.75,44.65
  SignalV w0.15: v1(82.7,47.15) 82.2,46.65 82.2,44.024 81.6,43.424 81.6,40.95 82.2,40.35 82.2,39.4 83.6,38 v1(83.6,37.75)
DISP1_VSYNC: H103.36 K100.144 U207.3 | length 60.7
  Top w0.25: K100.144@76.85,47.65 77.9,47.65 v1(78.55,48.3) ; v1(83.6,39.8) 84.05,39.35 U207.3@84.9,39.35
  SignalH w0.15: v1(78.55,48.3) 78.95,48.3 79.55,47.7 83.05,47.7 v1(83.5,47.15) 83.9,46.85 86.75,46.85 87.3,46.3 97.8,46.3 98.1,46 v1(98.4,46) ; v1(98.85,49) 99.25,48.6 118.676,48.6 118.926,48.35 121.23,48.35 H103.36@122.39,47.19
  SignalV w0.15: v1(83.5,47.15) 82.5,46.15 82.5,43.9 81.9,43.3 81.9,41.1 83.2,39.8 v1(83.6,39.8) ; v1(98.4,46) 98.4,48.55 v1(98.85,49)
EIM_A16: H102.44 K100.172 | length 48.5
  Top w0.25: v1(74.5,38.75) 75,39.25 K100.172@76.85,39.25
  SignalH w0.15: v1(74.5,38.75) 74.715,38.965 75.935,38.965 76.6,38.3 79.3,38.3 80.217,37.383 80.217,37.083 83.389,33.911 86.561,33.911 87.85,35.2 103.3,35.2 104.55,36.45 112.124,36.45 112.624,35.95 115.21,35.95 H102.44@116.29,37.03 H102.44@116.34,37.08
EIM_A17: H101.43 K100.173 | length 27.3
  Top w0.25: K100.173@68.65,38.95 69.95,38.95 v1(70.35,39.35)
  SignalH w0.15: H101.43@47.9,37 47.94,37.04 49.05,38.15 51.201,38.15 53.601,35.75 62.5,35.75 64.5,37.75 65.399,37.75 65.649,38 69,38 v1(70.35,39.35)
EIM_A18: H103.43 K100.174 | length 52.2
  Top w0.25: v1(75.3,38.4) 75.55,38.65 K100.174@76.85,38.65
  SignalH w0.15: v1(75.3,38.4) 75.7,38 79.15,38 79.891,37.259 79.891,36.959 84.05,32.8 86.25,32.8 88.35,34.9 95.85,34.9 97.45,33.3 101.85,33.3 104.7,36.15 112,36.15 112.5,35.65 116.65,35.65 118.03,37.03 H103.43@119.85,37.03 ; H103.43@119.825,37.055 H103.43@119.85,37.08
EIM_A19: H101.44 K100.175 | length 20.2
  Top w0.25: v1(66.9,37.45) 66.9,37.65 67.65,38.4 K100.175@68.3,38.4 ; K100.175@68.3,38.35 K100.175@68.65,38.35
  SignalH w0.15: H101.44@50.49,37.03 50.97,36.55 52.377,36.55 53.477,35.45 62.924,35.45 64.924,37.45 v1(66.9,37.45)
EIM_A20: H103.44 K100.176 | length 55
  Top w0.25: v1(75,37.5) 75.25,37.5 75.8,38.05 K100.176@76.85,38.05
  Power w0.15: v1(75,37.5) 75.65,37.5 76.3,38.15 79,38.15 84.35,32.8 91.95,32.8 94.434,35.284 96.984,35.284 97.6,35.9 98.45,35.9 99.602,37.052 101.048,37.052 101.3,36.8 103.9,36.8 104.15,37.05 111.3,37.05 112.45,35.9 121.21,35.9 122.365,37.055 H103.44@122.39,37.08 ; H103.44@121.68,37.03 H103.44@121.79,37.03
EIM_A21: H100.45 K100.177 | length 33.7
  Top w0.25: K100.177@68.65,37.75 70.85,37.75 v1(71.1,37.5)
  SignalH w0.15: H100.45@41.85,34.49 42.49,34.49 43.9,35.9 52.603,35.9 53.353,35.15 63.1,35.15 64.85,36.9 67.3,36.9 67.9,37.5 v1(71.1,37.5)
EIM_A22: H102.45 K100.178 | length 41.2
  Top w0.25: K100.178@76.85,37.45 v1(78.35,37.45)
  SignalH w0.15: v1(78.35,37.45) 79.249,37.45 79.552,37.147 79.552,36.874 83.926,32.5 88.979,32.5 90.629,34.15 96.176,34.15 97.326,33 102.051,33 103.901,34.85 113.39,34.85 H102.45@113.75,34.49
EIM_A23: H100.46 K100.179 | length 26.7
  Top w0.25: v1(67.05,36.2) 67.05,36.6 67.6,37.15 K100.179@68.65,37.15 K100.179@68.7,37.15
  SignalH w0.15: H100.46@44.35,34.45 H100.46@44.39,34.49 45.5,35.6 52.479,35.6 53.229,34.85 63.65,34.85 65.4,36.6 66.65,36.6 v1(67.05,36.2)
EIM_A24: H102.46 K100.180 | length 44.3
  Top w0.15: K100.180@76.85,36.85 K100.180@76.9,36.8
  Top w0.2: K100.180@76.85,36.85 78.9,36.85 v1(78.95,36.8)
  SignalH w0.15: v1(78.95,36.8) 79.201,36.8 83.801,32.2 89.103,32.2 90.753,33.85 96.051,33.85 97.201,32.7 102.176,32.7 104.026,34.55 110.75,34.55 111.9,33.4 115.2,33.4 H102.46@116.29,34.49
EIM_A25: H101.45 K100.181 | length 26.1
  Top w0.25: K100.181@68.65,36.55 v1(70.15,36.55)
  SignalH w0.15: H101.45@47.95,34.49 48.96,34.49 50.1,33.35 51.35,33.35 52.05,32.65 60.8,32.65 62.15,34 64.95,34 66.55,35.6 69.2,35.6 v1(70.15,36.55)
EIM_A26: H103.45 K100.182 | length 47.8
  Top w0.25: K100.182@76.85,36.25 v1(78.35,36.25)
  SignalH w0.15: v1(78.35,36.25) 78.4,36.2 79.377,36.2 83.677,31.9 89.227,31.9 90.877,33.55 95.927,33.55 97.077,32.4 102.3,32.4 104.15,34.25 110.45,34.25 111.6,33.1 118.46,33.1 H103.45@119.85,34.49 ; H103.45@119.825,34.515 H103.45@119.85,34.54
EIM_BCLK: H102.43 K100.170 | length 40.9
  Top w0.25: K100.170@76.85,39.85 78.05,39.85 78.75,39.15 v1(78.75,38.9)
  SignalH w0.15: v1(78.75,38.9) 79.144,38.9 80.535,37.509 80.535,37.19 83.474,34.25 86.4,34.25 87.65,35.5 103.1,35.5 104.35,36.75 113.47,36.75 H102.43@113.75,37.03 H102.43@113.8,37.08 ; H102.43@113.1,37 H102.43@113.2,37
EIM_DA0: H103.46 K100.184 | length 48.6
  Top w0.25: K100.184@76.85,35.65 78.9,35.65 v1(78.95,35.6)
  Power w0.15: v1(78.95,35.6) 79.35,35.6 82.45,32.5 92.35,32.5 93.85,34 97.1,34 97.65,34.55 108.124,34.55 109.274,33.4 121.25,33.4 122.365,34.515 H103.46@122.39,34.54
EIM_DA1: H100.47 K100.185 | length 33.1
  Top w0.2: K100.185@68.65,35.35 69.7,35.35 70.353,34.697 v1(70.64,34.697)
  SignalH w0.15: H100.47@41.85,31.95 42.95,33.05 48.6,33.05 48.95,32.7 49.65,32.7 50,33.05 51,33.05 51.7,32.35 60.95,32.35 62.3,33.7 65.85,33.7 66.35,34.2 70.143,34.2 v1(70.64,34.697)
EIM_DA2: H102.47 K100.186 | length 41.1
  Top w0.25: K100.186@76.85,35.05 v1(78.35,35.05)
  SignalH w0.15: v1(78.35,35.05) 80.103,35.05 83.553,31.6 89.351,31.6 91.001,33.25 95.803,33.25 96.953,32.1 102.651,32.1 104.401,33.85 108.45,33.85 110.243,32.057 110.35,31.95 H102.47@113.75,31.95 H102.47@113.8,32
EIM_DA3: H100.48 K100.187 | length 29.7
  Top w0.25: v1(66.8,35) 67.05,34.75 K100.187@68.65,34.75
  SignalV w0.15: v1(66.8,35) 67.25,34.55 67.25,31.3 v1(67.05,31.1)
  Power w0.15: H100.48@44.39,31.95 45.49,30.85 51.75,30.85 52.175,30.425 65.325,30.425 66,31.1 v1(67.05,31.1)
EIM_DA4: H102.48 K100.188 | length 44.3
  Top w0.25: K100.188@76.85,34.45 v1(79.15,34.45)
  SignalH w0.15: v1(79.15,34.45) 80.279,34.45 83.429,31.3 89.476,31.3 91.126,32.95 95.679,32.95 96.829,31.8 102.776,31.8 104.526,33.55 107.75,33.55 108.652,32.648 110.45,30.85 115.19,30.85 H102.48@116.29,31.95 H102.48@116.34,32
EIM_DA5: H101.47 K100.189 | length 26.9
  Top w0.15: K100.189@68.65,34.15 K100.189@68.7,34.15
  Top w0.25: K100.189@68.7,34.15 70.018,34.15 v1(70.64,33.528)
  SignalH w0.15: H101.47@47.95,31.95 49.1,30.8 51.25,30.8 51.55,30.5 60.55,30.5 61.8,31.75 61.8,32 62.6,32.8 67.1,32.8 67.828,33.528 v1(70.64,33.528)
EIM_DA6: H103.47 K100.190 | length 47.8
  Top w0.25: K100.190@76.85,33.85 v1(78.35,33.85)
  SignalH w0.15: v1(78.35,33.85) 80.454,33.85 83.304,31 89.6,31 91.223,32.623 95.581,32.623 96.704,31.5 102.9,31.5 104.65,33.25 107.45,33.25 110.15,30.55 118.45,30.55 H103.47@119.85,31.95 ; H103.47@119.825,31.975 H103.47@119.85,32
EIM_DA7: H101.48 K100.191 | length 18.8
  Top w0.25: v1(66.7,33.55) K100.191@68.65,33.55
  SignalH w0.15: H101.48@50.49,31.95 50.59,32.05 61.1,32.05 62.26,33.21 66.36,33.21 v1(66.7,33.55)
EIM_DA8: H103.48 K100.192 | length 48.2
  Top w0.25: K100.192@76.85,33.25 v1(79.15,33.25)
  Power w0.15: v1(79.15,33.25) 81.276,33.25 82.326,32.2 92.55,32.2 93.642,33.292 108.108,33.292 108.92,32.48 110.85,30.55 120.94,30.55 122.365,31.975 H103.48@122.39,32
EIM_DA9: H100.49 K100.193 | length 32.6
  Top w0.15: K100.193@68.65,32.95 K100.193@68.7,32.95
  Top w0.25: K100.193@68.7,32.95 70.05,32.95 v1(70.64,32.36)
  Power w0.15: H100.49@41.85,29.41 42.99,30.55 51.626,30.55 52.051,30.125 65.475,30.125 65.9,30.55 67.85,30.55 69.66,32.36 v1(70.64,32.36)
EIM_DA10: H102.49 K100.194 | length 39.6
  Top w0.25: K100.194@76.85,32.65 v1(78.35,32.65)
  SignalH w0.15: v1(78.35,32.65) 80.7,32.65 81.23,32.65 83.38,30.5 89.929,30.5 90.329,30.9 101.268,30.9 103.968,28.2 109,28.2 110.21,29.41 H102.49@113.75,29.41 H102.49@113.8,29.46
EIM_DA11: H100.50 K100.195 | length 33.1
  Top w0.15: K100.195@68.65,32.35 K100.195@68.7,32.35
  Top w0.2: K100.195@68.7,32.35 69.75,32.35 70.35,31.75 71.25,31.75 v1(71.808,31.192)
  Power w0.15: H100.50@44.39,29.41 45.86,29.41 46.945,28.325 51.325,28.325 52.31,29.31 52.825,29.825 61.55,29.825 62.075,29.3 67.4,29.3 67.803,29.703 69.203,29.703 69.428,29.928 70.545,29.928 v1(71.808,31.192)
EIM_DA12: H102.50 K100.196 | length 45.1
  Top w0.25: v1(75.4,32.05) K100.196@76.85,32.05
  SignalH w0.15: v1(75.4,32.05) 81.406,32.05 83.256,30.2 90.053,30.2 90.453,30.6 101.143,30.6 103.843,27.9 109.176,27.9 109.576,28.3 110,28.3 115.18,28.3 H102.50@116.29,29.41 H102.50@116.34,29.46
EIM_DA13: H101.49 K100.197 | length 26.2
  Top w0.25: K100.197@68.65,31.75 69.75,31.75 70.308,31.192 v1(70.65,31.15)
  SignalH w0.15: H101.49@47.95,29.41 49.04,30.5 51.05,30.5 51.671,29.879 61.129,29.879 61.75,30.5 67.85,30.5 68.5,31.15 v1(70.65,31.15)
EIM_DA14: H103.49 K100.198 | length 45.8
  Top w0.25: K100.198@76.85,31.45 v1(78.35,31.45)
  SignalH w0.15: v1(78.35,31.45) 81.582,31.45 83.132,29.9 90.177,29.9 90.577,30.3 101.019,30.3 103.769,27.55 109.25,27.55 109.7,28 118.44,28 H103.49@119.85,29.41 ; H103.49@119.825,29.435 H103.49@119.85,29.46
EIM_DA15: H101.50 K100.199 | length 19.6
  Top w0.25: v1(68.65,30.4) K100.199@68.65,31.15
  SignalH w0.15: H101.50@50.49,29.41 65.69,29.41 66.05,29.05 67.3,29.05 v1(68.65,30.4)
FCLK: H200.4 RN206.8 U206.3 U700.5 | length 61.9
  Top w0.25: RN206.8@96.062,40.295 v1(97.014,40.295) ; U206.3@132.95,50.2 133.35,50.2 v1(133.6,49.95) ; U700.5@139.45,49.55 v1@139.45,50.6
  SignalH w0.15: v1(118.15,49.7) 119.2,48.65 123.6,48.65 ; H200.4@126.01,47.89 125.25,48.65 123.6,48.65 ; v1(139.45,50.65) 138.75,49.95 v1(133.6,49.95) 132.4,51.15 129.684,51.15 129.284,51.55 125.55,51.55 123.6,49.6 123.6,48.65
  SignalV w0.15: v1(117.7,40.2) 118.15,40.65 118.15,44.25 117.8,44.6 117.8,47.7 118.15,48.05 v1(118.15,49.7)
  Power w0.15: v1(97.014,40.295) 98.455,40.295 99.65,39.1 101.6,39.1 102.15,39.65 111.824,39.65 112.824,40.65 117.3,40.65 117.7,40.25 v1(117.7,40.2)
FM_ANT: C316.1 C317.1 C335.2 C336.1 J301.3 L308.2 L311.2 | length 29.4
  Top w0.5: J301.3@3.55,5.55 3.45,5.65 3.45,9.5 5.2,11.25 8.7,11.25 11.5,11.25 14.05,8.7 18.55,8.7 C336.1@19.25,8.7 ; 18.55,9.1 19.35,9.9 C335.2@20.5,9.9
  Top w0.6: 18.55,8.7 18.55,9.1
  Top w1: v3(8.7,10.85) v3@8.7,11.25
  SignalH w0.25: J301.3@3.55,5.55 J301.3@4,5.1
  Bottom w1: C316.1@7.5,10.65 8.65,10.65 v3(8.7,10.85) ; C317.1@9.05,9.7 9.05,10.5 v3(8.7,10.85) ; L308.2@9.9,11.55 9.2,10.85 v3(8.7,10.85)
FM_DCLK: R314.1 U300.17 | length 29.5
  Top w0.25: R314.1@28.2,11 v1(28.2,11.75) ; U300.17@37.25,28.05 v1(37.25,29.302)
  SignalH w0.15: v1(28.2,11.75) 29.35,10.6 32.75,10.6 35.25,13.1 v1(36.85,13.1)
  SignalV w0.15: v1(36.85,13.1) 37.35,13.6 37.35,19.2 37.25,19.3 37.25,21.3 37.75,21.8 37.75,24.25 36.95,25.05 36.95,26.25 36.65,26.55 36.65,28.7 37.25,29.3 v1(37.25,29.302)
FM_DFS: R313.1 U300.18 | length 38
  Top w0.25: v1(37.25,26.74) 37.9,27.25 U300.18@37.9,28.05
  SignalH w0.15: v1(27.95,7.35) 31.1,4.2 v1(36.75,4.2)
  SignalV w0.15: v1(36.75,4.2) 38.1,5.55 38.1,9.6 37.7,10 37.7,19.3 37.55,19.45 37.55,21.1 38.05,21.6 38.05,24.4 37.25,25.2 v1(37.25,26.74)
  Bottom w0.25: R313.1@27.65,9.6 27.65,8.6 27.95,8.3 v1(27.95,7.35)
FM_DOUT: R312.1 U300.20 | length 46.7
  Top w0.25: v1(37.55,30.75) 39.2,29.1 U300.20@39.2,28.05
  SignalH w0.15: v1(26.9,2.25) 28.2,3.55 38.1,3.55 v1(38.45,3.9)
  SignalV w0.15: v1(37.55,30.75) 37.85,30.45 37.85,26 37.65,25.8 37.65,25.35 38.35,24.65 38.35,21.45 37.85,20.95 37.85,19.6 38,19.45 38,10.25 38.45,9.8 v1(38.45,3.9)
  Bottom w0.25: v1(26.9,2.25) 26.9,3.65 27.35,4.1 R312.1@27.35,5.3